# KiCad board psc_daughter_brd.kicad_pcb (continued)
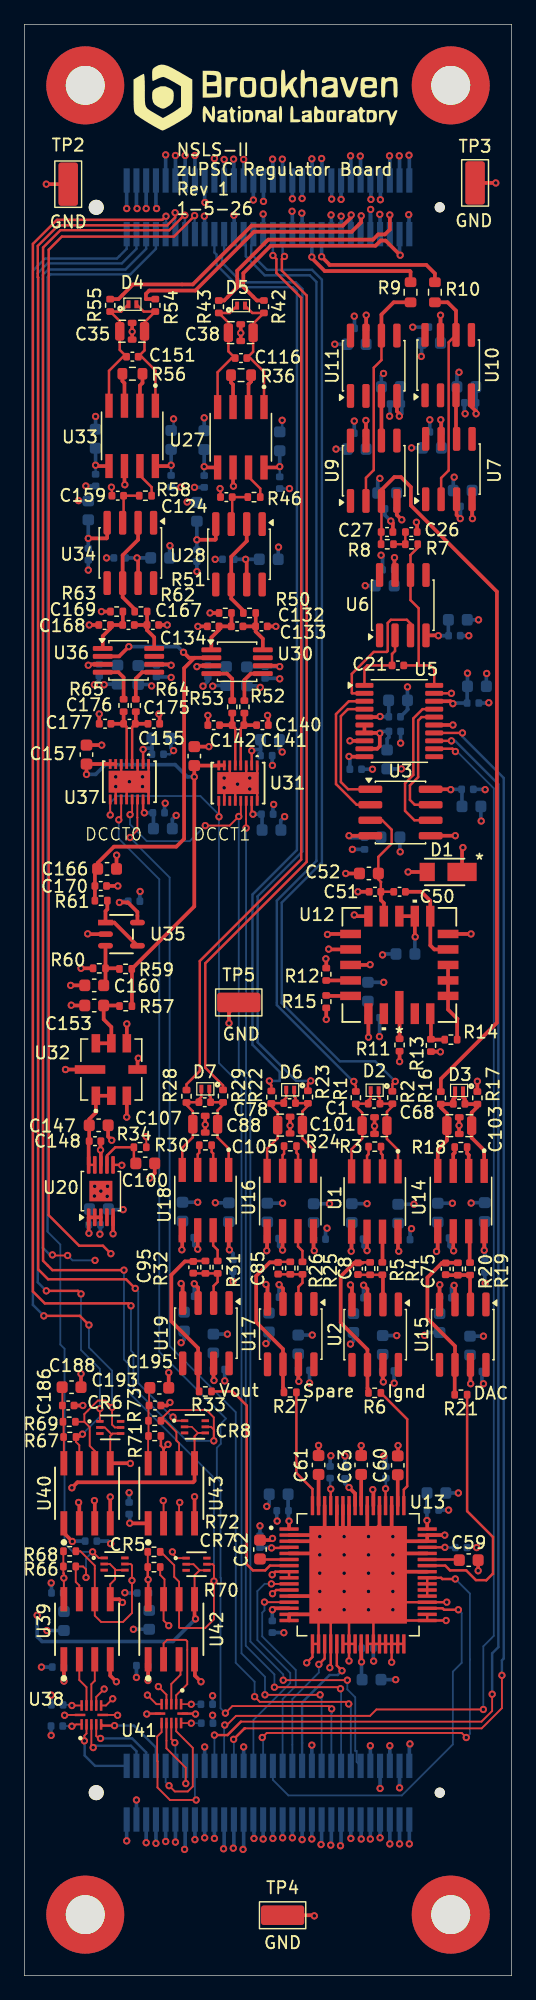
[diagram p0: board, top side]
## Routing (per net, layer and track width the routed paths; a pad name or vN(x,y) marks a point on that pad's centre or on a via; arc(x,y) is an arc through that point) (continued)
/DAC/dac_mon: length 62.1
  F.Cu - L1-sig w0.2: 29.31,120.92 29.31,118.59 29.29,118.57 C27.1 29.28,118.36 R8.2
  F.Cu - L1-sig w0.3: R16.2 34.19,73.53 38.79,78.13 38.79,113.49 31.73,120.55 31.73,122.06 30.91,122.88 30.37,122.88 29.31,121.82 29.31,120.92
/DAC/dac_out+: length 11.4
  F.Cu - L1-sig w0.3: v1(23.6,140.93) 23.6,140.83 24.66,139.77 31.65,139.77 31.7,139.72 R9.2
  B.Cu - L10-sig w0.3: J1.40 v1(23.6,140.93)
/DAC/dac_vout-: length 12.4
  F.Cu - L1-sig w0.3: R10.2 33.7,139.57 33,140.28 25.05,140.28 25.05,140.3 v1(24.4,140.95)
  B.Cu - L10-sig w0.3: J1.42 v1(24.4,140.95)
/DAC/sclk: length 109.1
  F.Cu - L1-sig w0.15: v1(38.4,23.07) 38.4,21.7 37.52,20.82 17.78,20.82
  F.Cu - L1-sig w0.2: 17.78,20.82 16.68,19.72 v1(15.6,19.72) ; U5.13 v1(35.06,101.25)
  B.Cu - L10-sig w0.15: J2.19 v1(15.6,19.72)
  B.Cu - L10-sig w0.2: v1(35.06,101.25) 35.36,101.25 38.91,97.69 38.91,26.94 38.4,26.43 v1(38.4,23.07) 38.4,23.03
/DAC/sdin: length 107.4
  F.Cu - L1-sig w0.15: v1(37.68,21.82) 28.9,21.82 28.37,21.3 17.37,21.3 16.62,20.55 v1(16.45,20.55)
  F.Cu - L1-sig w0.2: v1(35.38,100.38) 35.16,100.6 U5.12
  B.Cu - L10-sig w0.15: v1(35.38,100.38) 35.51,100.38 38.54,97.35 38.54,27.86 37.68,27 v1(37.68,21.82) ; v1(16.45,20.55) 16.4,20.5 J2.21
  B.Cu - L10-sig w0.2: v1(35.38,100.38) 35.55,100.38
/DAC/syncn: length 109
  F.Cu - L1-sig w0.15: 18.12,20.28 37.54,20.28 39.2,21.93 v1(39.2,24.62)
  F.Cu - L1-sig w0.2: v1(35.96,101.9) U5.14 ; 18.12,20.28 18.07,20.28 v1(17.18,19.38)
  B.Cu - L10-sig w0.15: v1(17.18,19.38) 17.2,19.35 J2.23
  B.Cu - L10-sig w0.2: v1(35.96,101.9) 35.96,101.6 39.35,98.21 39.35,26 39.2,25.85 v1(39.2,24.62)
/DAC/Voltage Reference/REF_OUT: length 10.9
  F.Cu - L1-sig w0.2: C50.1 C51.1 29.26,89.65 29.28,89.67 29.06,89.9 C52.1 29.06,91.73 30.15,92.83 30.15,93.97 29.38,94.74 U3.3
  F.Cu - L1-sig w0.3: C51.1 29.26,88.2 29.51,87.95 U12.12
/DCCT ADCs/dcct0+: length 24.3
  F.Cu - L1-sig w0.3: R55.2 7.72,137.47 8.93,138.68 13.82,138.68 18.65,143.5 26.15,143.5 26.82,144.18 v1(26.82,144.38)
  B.Cu - L10-sig w0.3: v1(26.82,144.38) 26.8,144.35 J1.48
/DCCT ADCs/dcct0-: length 23.3
  F.Cu - L1-sig w0.3: R54.2 9.98,137.47 9.98,137.9 10.25,138.17 14.03,138.17 18.86,143 26.87,143 27.65,143.78 v1(27.65,144.3)
  B.Cu - L10-sig w0.3: v1(27.65,144.3) 27.6,144.25 J1.50
/DCCT ADCs/dcct0_sdo: length 91.3
  F.Cu - L1-sig w0.15: v1(18.9,22.88) 19.32,22.45 26.45,22.45 v1(26.62,22.28) 26.7,22.28 ; U37.14 9.27,96.42 9.27,94.97 9.28,94.97 9.28,93.92 v1(8.68,93.33)
  B.Cu - L10-sig w0.15: v1(8.68,93.33) 9.28,92.72 9.28,92.69 11.93,90.04 11.93,51.63 17.35,46.2 17.35,25.65 18.9,24.1 v1(18.9,22.88) ; J2.47 26.8,22.1 v1(26.62,22.28)
/DCCT ADCs/dcct1+: length 20
  F.Cu - L1-sig w0.3: R43.2 16.41,137.36 17.47,138.42 17.47,139.81 20.02,142.35 28.62,142.35 29.04,142.78 29.6,142.78 30,143.18 v1(30,144.38)
  B.Cu - L10-sig w0.3: J1.56 v1(30,144.38)
/DCCT ADCs/dcct1-: length 19.5
  F.Cu - L1-sig w0.3: v1(30.85,141.07) 29.65,142.28 29.25,142.28 28.82,141.85 20.22,141.85 17.97,139.6 17.97,138.47 19.09,137.36 R42.2
  B.Cu - L10-sig w0.3: v1(30.85,141.07) 30.8,141.12 J1.58
/DCCT ADCs/dcct1_sdo: length 86.2
  F.Cu - L1-sig w0.15: v1(18.2,94.1) 18.2,94.82 18.2,94.82 18.2,96.27 18.22,96.3 ; v1(26.51,24.22) v1(21.25,24.22)
  B.Cu - L10-sig w0.15: v1(21.25,24.22) 21.25,24.7 18.55,27.4 18.55,73.74 18.2,74.09 v1(18.2,94.1) ; J2.49 27.28,17.52 27.28,18.43 27.16,18.43 27.16,22.82 26.51,23.47 v1(26.51,24.22)
/DCCT ADCs/DCCT Channel 1/adc_vref: length 37.1
  F.Cu - L1-sig w0.3: R57.1 8.83,82.54 R59.2 13.95,87.68 v1(13.95,98.3) C155.1 15.95,99.22 U31.8 16.4,99.24 ; v1(5.1,98.5) C157.1 7.04,99.35 U37.8 7.48,99.35
  B.Cu - L10-sig w0.3: v1(13.95,98.3) 13.38,98.3 12.38,99.3 6.65,99.3 5.85,98.5 v1(5.1,98.5)
/DCCT ADCs/DCCT Channel 1/drv_vref: length 36
  F.Cu - L1-sig w0.3: v1(8.57,108.97) 7.78,108.18 U36.2 ; 13.97,108.06 U30.2 ; 13.97,108.06 13.51,108.06 v1(13.06,108.51) ; 13.97,108.06 13.11,107.21 13.11,93.21 12.47,92.58 7.35,92.58 6.01,91.24 C166.1 5.79,90.52 C170.1 R61.1
  B.Cu - L10-sig w0.3: v1(8.57,108.97) 12.6,108.97 v1(13.06,108.51) 13.1,108.47
/DCCT ADCs/dcct_busy: length 93.5
  F.Cu - L1-sig w0.15: 25.25,21.85 v1(25.22,21.88) 25,22.1 17.07,22.1 v1(16.5,21.53) ; 7.95,95.1 7.75,94.9 v1(7.75,94.78) 7.95,94.97 U37.11
  B.Cu - L10-sig w0.15: v1(16.5,21.53) 16.1,21.93 16.1,32.07 16.14,32.11 16.14,32.59 16.1,32.63 16.1,40.5 15.8,40.8 15.8,43.29 16.13,43.61 16.13,44.09 16.1,44.11 16.1,45.22 16.55,45.68 11.07,51.15 11.07,89.9 7.75,93.22 v1(7.75,94.78) ; v1(25.22,21.88) 25.25,21.85 25.25,21.53 25.2,21.47 J2.43
/DCCT ADCs/dcct_cnv: length 97.5
  F.Cu - L1-sig w0.15: v1(19.75,23.03) v1(24.28,23.03) ; v1(7.05,95.17) 7.05,95.18 U37.9 ; v1(15.97,95.03) 15.97,95.03 15.97,96.3
  B.Cu - L10-sig w0.15: 19.75,22.97 v1(19.75,23.03) 19.75,24.5 17.82,26.43 17.82,72.98 15.97,74.83 v1(15.97,95.03) 15.97,95.2 14.45,96.72 7.6,96.72 7.05,96.17 v1(7.05,95.17) ; J2.41 24.4,22.9 v1(24.28,23.03)
/DCCT ADCs/dcct_sck: length 98.2
  F.Cu - L1-sig w0.15: 17.77,96.3 17.77,95.22 v1(17.6,95.05) 16.85,94.3 v1(14.85,94.3) ; v1(25.95,23.53) 25.82,23.65 v1(20.53,23.65) ; U37.13 8.85,95.37 v1(8.68,95.2)
  B.Cu - L10-sig w0.15: J2.45 26,23.47 v1(25.95,23.53) ; v1(17.6,95.05) 17.6,74.19 18.18,73.62 18.18,27.05 20.53,24.7 v1(20.53,23.65) 20.53,23.62 ; v1(14.85,94.3) 13.57,93.03 10.05,93.03 8.68,94.4 v1(8.68,95.2)
/FPGA connector/din0: length 9.9
  F.Cu - L1-sig w0.15: U41.10 12.46,20.04 13.83,18.67 13.83,15.51 13.41,15.1 12.35,15.1 v1(11.88,15.57)
  B.Cu - L10-sig w0.15: J2.9 11.6,15.85 v1(11.88,15.57) 11.9,15.55
/FPGA connector/din1: length 3.6
  F.Cu - L1-sig w0.15: v1(12.35,19.1) 12.06,19.39 U41.9
  B.Cu - L10-sig w0.15: J2.11 12.4,19 12.35,19.05 v1(12.35,19.1)
/FPGA connector/din2: length 7.1
  F.Cu - L1-sig w0.15: U41.8 11.66,18.64 13.25,17.05 v1(13.25,15.75)
  B.Cu - L10-sig w0.15: J2.13 13.2,15.8 v1(13.25,15.75)
/FPGA connector/din3: length 11.9
  F.Cu - L1-sig w0.15: U41.7 11.26,19.96 10.9,19.6 10.9,17.6 10.93,17.58 10.93,15.42 11.95,14.4 v1(14.1,14.4)
  B.Cu - L10-sig w0.15: J2.15 14,14.5 v1(14.1,14.4)
/FPGA connector/dout0: length 6.6
  F.Cu - L1-sig w0.15: 5.05,19.4 5.05,19.37 v1(4.93,19.25) 4.93,19.68 5.1,19.85 U38.2
  B.Cu - L10-sig w0.2: J2.1 5.8,17.2 4.95,18.05 4.95,19.05 4.93,19.07 v1(4.93,19.25)
/FPGA connector/dout1: length 7
  F.Cu - L1-sig w0.15: v1(5.65,18.7) 5.5,18.85 U38.3
  B.Cu - L10-sig w0.2: J2.3 9.2,18.4 8.75,18.85 5.8,18.85 v1(5.65,18.7)
/FPGA connector/dout2: length 6.7
  F.Cu - L1-sig w0.15: U38.4 5.9,19.65 6.1,19.45 v1(6.25,19.45)
  B.Cu - L10-sig w0.2: J2.5 10,18.3 8.85,19.45 v1(6.25,19.45)
/FPGA connector/dout3: length 6.8
  F.Cu - L1-sig w0.2: 6.3,20.6 6.3,20.6 6.4,20.5 v1(7.4,20.5)
  B.Cu - L10-sig w0.2: v1(7.4,20.5) 9,20.5 10.8,18.7 J2.7
/FPGA connector/mon_busy: length 32.2
  F.Cu - L1-sig w0.2: v1(35.62,30) 34.45,30 34.33,30.12 U13.35
  B.Cu - L10-sig w0.15: J2.31 20.4,16.05 21.68,14.77 30.99,14.77 35.18,18.96 35.18,24.93 35.9,25.65 35.9,29.72 v1(35.62,30)
/FPGA connector/mon_convert: length 36.9
  F.Cu - L1-sig w0.15: v1(36.28,19.53) 35.9,19.9 19.9,19.9 v1(19.53,19.53)
  F.Cu - L1-sig w0.2: v1(35.38,32.53) 35.37,32.52 34.31,32.52 34.21,32.62 U13.40 U13.39 U13.38 U13.37
  B.Cu - L10-sig w0.15: v1(35.38,32.53) 36.57,31.32 36.57,19.82 v1(36.28,19.53) ; v1(19.53,19.53) 19.6,19.45 J2.29
/FPGA connector/mon_fs: length 17.1
  F.Cu - L1-sig w0.15: v1(19.71,30.63) 19.72,30.62 U13.13
  B.Cu - L10-sig w0.15: v1(19.71,30.63) 19.71,29.94 19.53,29.76 19.53,27.81 22.28,25.06 22.28,23.75 21.2,22.68 J2.33
/FPGA connector/mon_reset: length 19.6
  F.Cu - L1-sig w0.15: v1(20.28,32.12) 20.28,32.12 U13.10
  B.Cu - L10-sig w0.15: J2.27 18.8,20.96 21.83,23.99 21.83,24.81 19.12,27.51 19.12,31.53 19.72,32.12 v1(20.28,32.12) 20.32,32.12
/FPGA connector/mon_sclk: length 12.2
  F.Cu - L1-sig w0.2: 25.85,25.22 v1(26.07,25) 25.65,25.43 U13.21
  B.Cu - L10-sig w0.2: v1(26.07,25) 25.72,24.65 25.05,24.65 22.8,22.4 J2.37
/FPGA connector/mon_sdo: length 11.1
  F.Cu - L1-sig w0.2: v1(24.18,25.53) 24.65,26 U13.19
  B.Cu - L10-sig w0.15: J2.35 22,22.68 24.18,24.85 v1(24.18,25.53)
/Isolated Digital IO/din0_iso: length 139.6
  F.Cu - L1-sig w0.15: R70.1 11.15,32.85 11.5,32.5 11.5,30.93 U42.7 11.43,29.12 v1(11.85,28.7) ; CR7.1 12.52,34.23 12.15,34.6 v1(12.15,34.75)
  F.Cu - L1-sig w0.2: v1(7.1,59.2) 6.45,59.85 4.5,59.85 2,62.35 2,141.53 3.07,142.6 12.27,142.6 13.97,144.3 v1(13.97,144.32)
  In2.Cu - L3-sig w0.15: v1(7.1,59.2) 7.1,58.11 7.94,57.27 7.94,38.96 v1(12.15,34.75) 11.85,34.45 v1(11.85,28.7)
  B.Cu - L10-sig w0.2: J1.16 13.97,142.83 v1(13.97,144.32)
/Isolated Digital IO/din1_iso: length 148
  F.Cu - L1-sig w0.15: R72.1 11.2,34.75 12.3,33.65 12.3,32.7 12.7,32.3 U42.6 12.7,28.55 12.75,28.5 14.85,28.5 15.56,29.21 v1(15.56,32.35) 15.56,33.62 15.45,33.73 CR7.5
  F.Cu - L1-sig w0.2: v1(13.18,144.35) 13.12,144.35 11.9,143.12 2.96,143.12 1.53,141.7 1.53,58.62 2.3,57.85 v1(8.18,57.85)
  B.Cu - L10-sig w0.15: v1(8.18,57.85) 8.18,50.53 8.55,50.15 8.55,47.84 15.45,40.94 15.45,40.65 15.56,40.54 v1(15.56,32.35)
  B.Cu - L10-sig w0.2: J1.14 13.18,142.82 v1(13.18,144.35)
/Isolated Digital IO/din2_iso: length 126.3
  F.Cu - L1-sig w0.15: CR8.1 12.5,45.5 v1(12.2,45.8)
  F.Cu - L1-sig w0.2: v1(11.79,43.56) 11.43,43.2 U43.7 11.43,43.22 11.2,43.45 11.21,43.46 R71.1 ; v1(9.1,56.35) 8.35,57.1 1.95,57.1 1.13,57.92 1.13,139.25 1.1,139.28 1.1,141.83 2.79,143.53 11.73,143.53 12.37,144.17 v1(12.37,144.56)
  In7.Cu - L8-sig w0.2: v1(11.79,43.56) 12.2,43.97 v1(12.2,45.8)
  B.Cu - L10-sig w0.15: v1(9.1,56.35) 9.35,56.1 9.35,48.59 12.14,45.8 v1(12.2,45.8)
  B.Cu - L10-sig w0.2: v1(12.37,144.56) 12.37,142.83 J1.12
/Isolated Digital IO/din3_iso: length 135.9
  F.Cu - L1-sig w0.15: CR8.5 15.32,45 15.55,44.77 v1(15.55,43.85) 15.55,45.77 14.95,46.38 11.96,46.38 11.21,45.62 R73.1 11.55,45.5 12.48,44.57 12.48,43.87 12.7,43.65 U43.6
  F.Cu - L1-sig w0.2: v1(8.75,54.92) 8.55,55.12 1.68,55.12 0.7,56.1 0.7,142 2.68,143.97 11.33,143.97 v1(11.63,144.27)
  B.Cu - L10-sig w0.15: v1(15.55,43.85) 13.34,43.85 8.95,48.24 8.95,51.05 8.75,51.25 v1(8.75,54.92)
  B.Cu - L10-sig w0.2: v1(11.63,144.27) 11.63,142.83 J1.10
/Isolated Digital IO/din_iso_gnd: length 173.4
  F.Cu - L1-sig w0.12: CR8.2 13.75,45 14.25,44.5
  F.Cu - L1-sig w0.15: 14.38,33.23 CR7.4 ; 14.38,33.23 13.88,33.73 CR7.2 ; 14.38,33.23 13.97,32.82 U42.5 ; U43.5 13.97,44.22 14.25,44.5 CR8.4
  F.Cu - L1-sig w0.3: v1(14.05,29.25) 13.97,29.33 U42.5 ; v1(3.9,40) 4.35,40.45 13.85,40.45 13.97,40.57 U43.5
  In2.Cu - L3-sig w0.3: v1(3.9,40) 3.05,40 2.85,39.8
  In2.Cu - L3-sig w1: v1(10.85,144.9) v1(8.4,144.9) 3.95,140.45 1.4,140.45 1.4,62.62 4.55,59.46 4.55,57.26 2.85,55.56 2.85,35.85 1.05,34.05 v1(1.05,29.55)
  B.Cu - L10-sig w0.3: J1.5 v1(10,144.9) ; J1.1 v1(8.4,144.9) ; v1(10.85,144.9) 10.8,144.95 J1.7 ; v1(1.05,29.55) 1.05,27.8 1.45,27.4 12.2,27.4 v1(14.05,29.25) ; v1(9.25,144.9) 9.2,144.95 J1.3
/Isolated Digital IO/dout0_iso: length 126
  F.Cu - L1-sig w0.15: CR5.1 6.1,34.25 v1(5.6,34.75) ; U39.7 4.51,31.99 4.22,32.28 R66.1 4.82,33.55 5.06,33.31 v1(5.06,32.65)
  B.Cu - L10-sig w0.15: 1.9,61.05 1.9,61 2.95,59.95 2.95,51.75 3.3,51.4 3.3,35.42 3.97,34.75 v1(5.6,34.75) 5.06,34.21 v1(5.06,32.65)
  B.Cu - L10-sig w0.2: J1.8 10.8,141.6 8.7,139.5 2.13,139.5 1.9,139.27 1.9,61.05
/Isolated Digital IO/dout1_iso: length 137
  F.Cu - L1-sig w0.15: v1(3.55,59.05) 2.35,59.05 v1(2.3,59.1) ; R68.1 4.6,34.8 5.78,33.62 U39.6 5.78,29.52 6.3,29 8.1,29 8.83,29.73 v1(8.83,32.4) 8.83,33.64 8.72,33.75 CR5.5
  In2.Cu - L3-sig w0.15: v1(8.83,32.4) 8.07,33.16 8.07,37.41 6.33,39.16 6.33,45.56 5.62,46.26 5.62,52.86 5.88,53.11 5.88,58.57 v1(5.8,58.65)
  B.Cu - L10-sig w0.15: v1(3.55,59.05) 3.95,58.65 v1(5.8,58.65)
  B.Cu - L10-sig w0.2: v1(2.3,59.1) 2.1,59.1 1.5,59.7 1.5,139.1 1.5,139.43 1.97,139.9 8.3,139.9 10,141.6 J1.6
/Isolated Digital IO/dout2_iso: length 113.6
  F.Cu - L1-sig w0.15: 4.78,44.41 v1(4.77,44.4) 4.54,44.17 R67.1 4.24,43.76 4.51,43.49 U40.7 ; CR6.1 v1(6.2,46.5) 6.15,46.55
  F.Cu - L1-sig w0.2: v1(1.8,56.15) 4.4,56.15 v1(4.65,55.9)
  B.Cu - L10-sig w0.15: v1(4.65,55.9) 4.65,51.3 6.2,49.75 v1(6.2,46.5) 6.2,45.83 v1(4.77,44.4)
  B.Cu - L10-sig w0.2: J1.4 9.2,141.6 8,140.4 1.9,140.4 1.1,139.6 1.1,56.85 v1(1.8,56.15)
/Isolated Digital IO/dout3_iso: length 117.7
  F.Cu - L1-sig w0.15: 4.92,45.42 R69.1 4.3,45.42 ; 4.92,45.42 5.37,44.97 5.37,43.44 5.78,43.02 U40.6 ; 4.92,45.42 4.92,46.04 6.03,47.15 6.65,47.15 v1(7.2,46.6) 7.2,45.18 7.43,44.95 CR6.5
  F.Cu - L1-sig w0.2: v1(5.3,53.35) 4.55,54.1 v1(1.6,54.1)
  B.Cu - L10-sig w0.15: v1(7.2,46.6) 7.2,49.6 5.3,51.5 v1(5.3,53.35)
  B.Cu - L10-sig w0.2: J1.2 8.4,141.6 7.6,140.8 1.7,140.8 0.7,139.8 0.7,55 v1(1.6,54.1) 1.6,54.05
/Isolated Digital IO/dout_iso_gnd: length 159.2
  F.Cu - L1-sig w0.15: CR6.4 7.25,44.45 7.18,44.38 ; 7.45,33.25 7.45,33.32 7.02,33.75 CR5.2 ; 7.45,33.25 7.45,32.5 7.05,32.1 U39.5 ; 7.45,33.25 CR5.4 ; 7.18,44.38 7.05,44.25 U40.5 ; 7.18,44.38 6.6,44.95 CR6.2
  F.Cu - L1-sig w0.3: U40.5 8.69,42.01 v1(8.7,42) ; v1(8.05,30.6) 7.79,30.86 U39.5
  In7.Cu - L8-sig w0.3: v1(8.7,42) 8,42.7 2.7,42.7 ; v1(8.05,30.6) 4.7,33.95 1.15,33.95
  In7.Cu - L8-sig w1: v1(14,149.25) v1(13.2,149.25) v1(12.4,149.25) 11.65,149.25 v1(11.6,149.3) 11.38,149.3 7.27,145.18 7.27,143.72 1.7,138.15 1.7,62.33 4.55,59.48 4.55,57.22 2.7,55.37 2.7,42.7 2.85,42.55 2.85,35.65 1.15,33.95
  B.Cu - L10-sig w0.3: J1.11 v1(12.4,149.25) ; J1.9 v1(11.6,149.3) ; J1.13 v1(13.2,149.25) ; J1.15 v1(14,149.25)
/Monitor ADCs/monitor_dac/mon_out: length 21.7
  F.Cu - L1-sig w0.2: R21.1 36.34,38.09 38.47,35.96 38.47,32.94 38.44,32.94 37.92,32.42 37.91,32.43 37.07,32.43 36.27,33.23 34.94,33.23 34.55,33.62 U13.42
/Monitor ADCs/monitor_ignd+: length 79
  F.Cu - L1-sig w0.2: R1.2 27.21,72.96 27.04,73.12 v1(27.04,73.33)
  B.Cu - L10-sig w0.2: J1.26 18,142.05 18.18,141.88 18.18,140.98 19.73,139.43 23.43,139.43 23.97,138.88 23.97,91.4 20.72,88.15 20.72,79.58 26.98,73.33 v1(27.04,73.33)
/Monitor ADCs/monitor_ignd-: length 82
  F.Cu - L1-sig w0.2: R2.2 30.21,73.09 v1(30.44,73.33)
  B.Cu - L10-sig w0.2: v1(30.44,73.33) 28.79,74.97 25.9,74.97 21.13,79.75 21.13,87.98 24.32,91.17 24.42,91.17 24.42,139.07 23.62,139.88 19.92,139.88 18.62,141.17 18.62,141.88 18.8,142.05 J1.28
/Monitor ADCs/monitor_ignd/mon_out: length 10.3
  F.Cu - L1-sig w0.2: U13.49 31.15,39.85 31.43,40.13 31.43,45.62 R6.1
/Monitor ADCs/monitor_spare+: length 79
  F.Cu - L1-sig w0.2: v1(20.11,73.37) 20.11,73.17 20.28,73 R22.2
  B.Cu - L10-sig w0.2: v1(20.11,73.37) 20.94,73.37 20.95,73.38 20.95,74.1 18.72,76.33 18.72,77.37 18.72,77.38 18.72,88.65 22.38,92.3 22.38,138.12 22.04,138.45 17.61,138.45 15.78,140.28 15.78,141.12 15.6,141.3 J1.20
/Monitor ADCs/monitor_spare-: length 79.8
  F.Cu - L1-sig w0.2: R23.2 23.28,73.13 v1(23.51,73.37)
  B.Cu - L10-sig w0.2: v1(23.51,73.37) 22.31,73.37 19.15,76.53 19.15,88.46 19.13,88.48 22.82,92.18 22.82,138.3 22.28,138.85 17.84,138.85 16.22,140.47 16.22,141.12 16.4,141.3 J1.22
/Monitor ADCs/monitor_spare/mon_out: length 9.8
  F.Cu - L1-sig w0.2: U13.64 23.65,39.9 22.33,41.22 R27.1
/Monitor ADCs/monitor_vout+: length 75
  F.Cu - L1-sig w0.2: R28.2 13.31,73.08 14.4,74.17 14.4,83.19 22.72,91.52 22.72,137.58 20.69,139.62 20.69,140.76 v1(20.4,141.05)
  B.Cu - L10-sig w0.2: J1.32 v1(20.4,141.05)
/Monitor ADCs/monitor_vout-: length 75.9
  F.Cu - L1-sig w0.2: R29.2 16.31,72.99 14.85,74.45 14.85,83.01 23.18,91.33 23.18,137.77 21.14,139.81 21.14,140.76 v1(21.35,140.97)
  In2.Cu - L3-sig w0.2: v1(21.35,140.97) 21.35,140.74 ; 21.25,140.75 21.25,141.15
  B.Cu - L10-sig w0.2: 21.25,142.75 J1.34 21.2,141.12 v1(21.35,140.97)
/Monitor ADCs/monitor_vout/mon_out: length 20.2
  F.Cu - L1-sig w0.2: R33.1 17.1,47.9 18.26,46.74 18.26,33.73 18.76,33.23 19.77,33.23 20.16,33.62 U13.7
Net-(C8-Pad2): length 13.5
  F.Cu - L1-sig w0.2: C8.2 27.43,58.49 R5.1
  F.Cu - L1-sig w0.3: 27.76,58.44 27.07,58.44 25.97,57.34 25.97,53.53 28.16,51.34 28.16,48.18 28.28,48.06
Net-(C26-Pad1): length 2
  F.Cu - L1-sig w0.2: R8.1 R7.2 31.27,118.36 C26.1
Net-(C75-Pad2): length 13.6
  F.Cu - L1-sig w0.3: 35.32,47.63 35.32,50.06 U15.6 35.35,51.62 33.09,53.88 33.09,57.24 34.28,58.44 C75.2 34.6,58.46 35.59,58.46
Net-(C85-Pad2): length 13.5
  F.Cu - L1-sig w0.2: R26.1 20.87,58.53 C85.2
  F.Cu - L1-sig w0.3: 21.34,48.1 21.23,48.22 U17.6 21.23,51.38 19.03,53.58 19.03,57.38 20.14,58.49 C85.2
Net-(C95-Pad2): length 13.8
  F.Cu - L1-sig w0.2: C95.2 13.91,58.6 R32.1
  F.Cu - L1-sig w0.3: R33.2 14.26,47.98 14.26,51.45 12.06,53.65 12.06,57.45 13.18,58.56 C95.2
Net-(C132-Pad2): length 4.3
  F.Cu - L1-sig w0.3: U30.8 19.57,109.62 18.98,110.22 C132.2 ; C132.2 C133.1 ; C132.2 18.99,110.65 R50.1
Net-(C133-Pad2): length 4.3
  F.Cu - L1-sig w0.3: R51.1 17,110.66 C133.2 C134.1 15.98,110.36 15.35,109.72 U30.1
Net-(C167-Pad2): length 4.3
  F.Cu - L1-sig w0.3: C167.2 10.07,110.33 10.66,109.74 U36.8 ; C167.2 C168.1 ; C167.2 10.08,110.76 R62.1
Net-(C168-Pad2): length 4.3
  F.Cu - L1-sig w0.3: R63.1 8.09,110.77 C168.2 C169.1 7.07,110.47 6.43,109.84 U36.1
Net-(D2-A1): length 8.3
  F.Cu - L1-sig w0.2: D2.1 29.08,72.05 29.19,71.94 C1.2 30.2,71.5 R2.1 30.21,71.28 29.76,70.83 C101.2 29.76,68.61 30.67,67.7 U1.1
Net-(D2-A2): length 8.3
  F.Cu - L1-sig w0.2: D2.2 28.43,71.95 28.23,71.75 C1.1 27.23,71.5 R1.1 27.21,71.27 27.73,70.75 C101.1 27.73,68.63 26.86,67.76 U1.4
Net-(D3-A1): length 8.3
  F.Cu - L1-sig w0.3: D3.1 36.01,72.01 36.16,71.86 C68.2 36.19,71.47 R17.1 37.19,71.23 36.72,70.77 C103.2 36.72,68.7 37.74,67.69 37.74,67.44 37.75,67.42 U14.1
Net-(D3-A2): length 8.2
  F.Cu - L1-sig w0.3: U14.4 33.94,67.73 34.69,68.48 C103.1 34.69,70.69 34.19,71.19 R16.1 35.19,71.47 C68.1 35.21,71.86 35.36,72.01 D3.2
Net-(D4-A1): length 10.8
  F.Cu - L1-sig w0.2: U33.4 6.95,131.59 8.11,132.75 C151.2 7.83,133.31 C35.2 7.83,135.67 R55.1 7.95,136.45 D4.1
Net-(D4-A2): length 10.8
  F.Cu - L1-sig w0.2: U33.1 10.76,131.62 9.63,132.75 C151.1 9.86,133.27 C35.1 9.86,135.57 R54.1 9.8,136.45 D4.2
Net-(D5-A1): length 10.8
  F.Cu - L1-sig w0.2: D5.1 16.86,136.34 R43.1 16.75,135.55 C38.2 16.75,133.19 C116.2 17.02,132.64 15.86,131.48 U27.4
Net-(D5-A2): length 10.8
  F.Cu - L1-sig w0.2: D5.2 18.71,136.34 R42.1 18.78,135.45 C38.1 18.78,133.15 C116.1 18.54,132.64 19.67,131.51 U27.1
Net-(D6-A1): length 8.3
  F.Cu - L1-sig w0.2: D6.1 22.15,72.09 22.25,71.98 C78.2 23.26,71.54 R23.1 23.28,71.32 22.83,70.87 C105.2 22.83,68.65 23.74,67.74 U16.1
Net-(D6-A2): length 8.3
  F.Cu - L1-sig w0.2: U16.4 19.93,67.8 20.79,68.67 C105.1 20.79,70.79 20.28,71.31 R22.1 20.29,71.54 C78.1 21.29,71.79 21.5,71.99 D6.2
Net-(D7-A1): length 8.3
  F.Cu - L1-sig w0.2: D7.1 15.18,72.17 15.29,72.06 C88.2 16.3,71.62 R29.1 16.31,71.4 15.86,70.95 C107.2 15.86,68.72 16.77,67.82 U18.1
Net-(D7-A2): length 8.3
  F.Cu - L1-sig w0.2: D7.2 14.53,72.07 14.33,71.87 C88.1 13.33,71.62 R28.1 13.31,71.39 13.83,70.87 C107.1 13.83,68.75 12.96,67.88 U18.4
Net-(R3-Pad1): length 2.1
  F.Cu - L1-sig w0.2: U1.2 29.4,67.3 29.28,67.42 29.28,67.97
Net-(R3-Pad2): length 2.1
  F.Cu - L1-sig w0.2: R3.2 28.25,67.36 28.13,67.23 U1.3
Net-(R4-Pad2): length 2.5
  F.Cu - L1-sig w0.3: R4.2 29.4,58.5 U1.7
Net-(R18-Pad1): length 2
  F.Cu - L1-sig w0.3: R18.1 36.34,67.42 36.49,67.28 36.47,67.28 U14.2
Net-(R18-Pad2): length 2.1
  F.Cu - L1-sig w0.3: 35.32,67.94 35.32,67.47 35.21,67.36 U14.3 ; 35.32,66.03 35.28,65.98
Net-(R19-Pad2): length 2.6
  F.Cu - L1-sig w0.3: 36.56,61.03 36.56,58.5 R19.2
Net-(R24-Pad1): length 2.1
  F.Cu - L1-sig w0.2: R24.1 22.34,67.47 22.47,67.34 U16.2
Net-(R24-Pad2): length 2.1
  F.Cu - L1-sig w0.2: R24.2 21.32,67.4 21.19,67.27 U16.3
Net-(R25-Pad2): length 2.7
  F.Cu - L1-sig w0.2: U16.7 22.47,59.79 22.83,59.43 R25.2
Net-(R30-Pad1): length 2.1
  F.Cu - L1-sig w0.2: U18.2 15.5,67.42 15.38,67.54 R30.1
Net-(R30-Pad2): length 2.1
  F.Cu - L1-sig w0.2: R30.2 14.35,67.47 14.23,67.35 U18.3
Net-(R31-Pad2): length 2.7
  F.Cu - L1-sig w0.2: U18.7 15.5,59.87 15.87,59.5 R31.2
Net-(R36-Pad1): length 2.7
  F.Cu - L1-sig w0.3: U27.2 18.4,130.5 18.4,130.5 18.61,130.71 R36.1
Net-(R36-Pad2): length 2.7
  F.Cu - L1-sig w0.3: U27.3 17.13,130.47 16.96,130.64 R36.2
Net-(R46-Pad2): length 2.8
  F.Cu - L1-sig w0.2: U27.7 18.4,122.9 19.36,121.94 R46.2
Net-(R52-Pad2): length 3.4
  F.Cu - L1-sig w0.3: R52.2 18.06,106.24 18.59,106.76 U30.5
Net-(R53-Pad2): length 3.7
  F.Cu - L1-sig w0.3: R53.2 17.06,106.34 16.64,106.76 U30.4
Net-(R56-Pad1): length 2.7
  F.Cu - L1-sig w0.3: U33.2 9.49,130.39 9.7,130.6 R56.1
Net-(R56-Pad2): length 2.7
  F.Cu - L1-sig w0.3: R56.2 8.05,130.75 8.22,130.58 U33.3
Net-(R58-Pad2): length 2.8
  F.Cu - L1-sig w0.2: R58.2 10.45,122.05 9.49,123.01 U33.7
Net-(R64-Pad2): length 3.4
  F.Cu - L1-sig w0.3: R64.2 9.15,106.35 9.67,106.88 U36.5
Net-(R65-Pad2): length 3.7
  F.Cu - L1-sig w0.3: R65.2 8.15,106.45 7.72,106.88 U36.4
Net-(U2--): length 4.5
  F.Cu - L1-sig w0.2: C8.1 27.41,57.47 R5.2 R4.1
  F.Cu - L1-sig w0.3: U2.2 29.44,57.41 R4.1
Net-(U3A--): length 12
  F.Cu - L1-sig w0.2: U3.2 27.28,96.01 25.58,97.71 25.58,103.44 26.64,104.5 U5.3
Net-(U3B--): length 12.3
  F.Cu - L1-sig w0.2: U3.6 32.02,94.74 31.25,95.51 31.25,97.78 31.92,98.45 31.92,103.08 32.69,103.85 U5.17
Net-(U5-INV): length 6.3
  F.Cu - L1-sig w0.2: U6.2 30.43,108.62 30.18,108.38 30.18,108.37 C21.2 28.14,107.43 27.92,107.21 U5.1
Net-(U5-R_{FB}): length 14.5
  F.Cu - L1-sig w0.2: R7.1 32.29,117.08 31.68,116.47 31.7,116.46 U6.6 31.7,112.79 32.37,112.12 32.37,107.45 32.38,107.43 ; U5.20 33.64,107.11 33.32,107.43 32.38,107.43 ; 32.38,107.43 C21.1 31.1,107.48
Net-(U5-V_{OUT}): length 11.7
  F.Cu - L1-sig w0.2: U5.2 26.91,105.15 26.88,105.18 26.88,106.74 28.68,108.54 29.75,108.54 29.83,108.62 29.83,110.92 30.09,111.18 31.4,111.18 31.7,110.87 U6.3
Net-(U5-V_{REFNF}): length 10.1
  F.Cu - L1-sig w0.2: U3.7 32.05,96.01 31.65,96.41 31.65,97.6 32.32,98.27 32.32,102.92 32.61,103.2 U5.16
Net-(U5-V_{REFPF}): length 10.2
  F.Cu - L1-sig w0.2: U3.1 26.58,97.28 25.98,97.88 25.98,103.28 26.56,103.85 U5.4
Net-(U7--): length 18
  F.Cu - L1-sig w0.2: U7.2 34.21,122.81 34.83,123.42 34.83,133.93 U10.6
  F.Cu - L1-sig w0.3: U10.6 35.43,136.53 34.75,137.21 R10.1
Net-(U9--): length 18.6
  F.Cu - L1-sig w0.2: U11.6 29.31,132.47 28.68,131.85 28.68,123.46 28.04,122.82 28.04,120.92
  F.Cu - L1-sig w0.3: U11.6 29.31,136.2 30.32,137.21 R9.1
Net-(U10-V_{IN}): length 3.7
  F.Cu - L1-sig w0.3: 35.34,129.49 U10.3 35.43,126.11 35.34,126.01
Net-(U11-V_{IN}): length 3.7
  F.Cu - L1-sig w0.3: U11.3 U9.6
Net-(U12-BUF_INP): length 4.4
  F.Cu - L1-sig w0.3: v1(32.08,85.17) 32.05,85.21 U12.10 U12.11
  B.Cu - L10-sig w0.3: C32.1 32.06,85.15 v1(32.08,85.17)
Net-(U12-BUF_S): length 7.6
  F.Cu - L1-sig w0.3: U12.7 33.66,84.14 33.32,84.47 33.32,86.87 U12.9 33.32,88.14 32.58,88.88 C50.2
Net-(U12-HTR_ILIM): length 2
  F.Cu - L1-sig w0.3: U12.17 24.79,81.61 R12.2
Net-(U12-HTR_IN): length 2
  F.Cu - L1-sig w0.3: U12.18 24.82,80.33 R15.1
Net-(U12-ISET): length 2.6
  F.Cu - L1-sig w0.3: U12.1 30.8,79.36 R11.2
Net-(U12-REF6P6_F): length 6.5
  F.Cu - L1-sig w0.3: R14.1 35.53,78.42 35.55,78.45 34.78,79.22 U12.4 U12.5 U12.6
Net-(U12-TSET): length 3.3
  F.Cu - L1-sig w0.3: R14.2 33.41,76.75 33.38,76.78 33.38,78.82 U12.3
Net-(U13-REFAP): length 2.7
  F.Cu - L1-sig w0.2: U13.43 35.65,34.12 C59.1
Net-(U13-REFBP): length 2.5
  F.Cu - L1-sig w0.3: U13.50 C60.1
Net-(U13-REFCP): length 2.6
  F.Cu - L1-sig w0.3: U13.63 C61.1
Net-(U13-REFDP): length 2.4
  F.Cu - L1-sig w0.2: 19.38,34.1 19.4,34.12 U13.6
Net-(U13-REFIO): length 2.6
  F.Cu - L1-sig w0.3: U13.56 C63.1
Net-(U15--): length 4.4
  F.Cu - L1-sig w0.3: U15.2 36.59,55.07 36.59,57.44 35.59,57.44 R20.2 34.62,57.44 C75.1
Net-(U17--): length 4.6
  F.Cu - L1-sig w0.2: U17.2 22.5,56.48 22.83,56.81 R25.1 R26.2 20.85,57.51 C85.1
Net-(U19--): length 4.6
  F.Cu - L1-sig w0.2: C95.1 13.88,57.58 R32.2 R31.1 15.87,56.88 15.53,56.55 U19.2
Net-(U20-OUT): length 7.7
  F.Cu - L1-sig w0.2: U20.9 U20.10
  F.Cu - L1-sig w0.3: U20.10 5.28,68.39 C148.1 5.32,69.72 C147.1 5.32,70.22 5.87,70.77 U32.1 U32.2
Net-(U20-SET): length 4.6
  F.Cu - L1-sig w0.2: U20.7 6.78,67.24 7.47,67.92 R34.2 8.99,66.76 C100.1
Net-(U28-+): length 3.5
  F.Cu - L1-sig w0.2: R46.1 C124.1 17.06,119.1 U28.3
Net-(U28--): length 8.2
  F.Cu - L1-sig w0.3: U28.2 18.25,117.65 18.26,117.64 16.98,116.36 U28.6 16.98,112.92 17.97,111.93 R50.2
Net-(U31-IN+): length 5.5
  F.Cu - L1-sig w0.2: U31.4 17.76,102.28 C141.1
  F.Cu - L1-sig w0.3: R52.1 18.06,102.58 C141.1 C140.2
Net-(U31-IN-): length 5.4
  F.Cu - L1-sig w0.2: U31.5 17.31,102.29 C141.2
  F.Cu - L1-sig w0.3: C142.1 C141.2 R53.1
Net-(U32-VOUT_F): length 6
  F.Cu - L1-sig w0.3: U32.7 U32.6 7.14,77.78 6.51,78.42 C153.1 7.76,79.55 R57.2
Net-(U34-+): length 3.5
  F.Cu - L1-sig w0.2: R58.1 C159.1 8.15,119.22 U34.3
Net-(U34--): length 8.2
  F.Cu - L1-sig w0.3: U34.2 9.34,117.76 9.35,117.75 8.07,116.47 U34.6 8.07,113.03 9.06,112.04 R62.2
Net-(U35-+): length 4.5
  F.Cu - L1-sig w0.3: C160.1 6.66,81.35 R60.1 ; R60.1 7.75,82.6 R59.1 ; R60.1 U35.3
Net-(U35--): length 5.3
  F.Cu - L1-sig w0.3: R61.2 6.81,87.44 6.66,87.28 U35.1 7.38,86.35 U35.4
Net-(U37-IN+): length 5.5
  F.Cu - L1-sig w0.2: U37.4 8.85,102.39 C176.1
  F.Cu - L1-sig w0.3: C175.2 C176.1 9.15,102.69 R64.1
Net-(U37-IN-): length 5.4
  F.Cu - L1-sig w0.2: C176.2 8.4,102.4 U37.5
  F.Cu - L1-sig w0.3: C177.1 C176.2 R65.1
Net-(U38-B1Y): length 4
  F.Cu - L1-sig w0.15: U38.10 5.1,23.65 4.51,24.24 U39.2
Net-(U38-B2Y): length 3.9
  F.Cu - L1-sig w0.15: U38.9 5.5,23.9 5.78,24.18 U39.3
Net-(U38-B3Y): length 19.5
  F.Cu - L1-sig w0.15: v1(6.55,23.5) 5.9,22.85 U38.8
  F.Cu - L1-sig w0.3: U40.2 4.51,38.74 v1(4.45,38.8)
  In2.Cu - L3-sig w0.15: v1(6.55,23.5) 6.24,23.81 6.24,37.01 v1(4.45,38.8)
Net-(U38-B4Y): length 21.3
  F.Cu - L1-sig w0.15: U38.7 6.7,22.15 v1(7.25,22.7)
  F.Cu - L1-sig w0.3: v1(5.75,38.95) 5.78,38.92 U40.3
  In2.Cu - L3-sig w0.15: v1(7.25,22.7) 8.13,23.58 8.13,24.34 7.1,25.36 7.1,33.13 7.72,33.75 7.72,37.13 5.9,38.95 v1(5.75,38.95)
Net-(U39-VISO): length 6.9
  F.Cu - L1-sig w0.15: R66.2 3.2,34.79 R68.2 ; R66.2 3.24,33.51 ; R66.2 3.2,32.99 3.24,32.95 ; 3.24,32.95 v1(3.24,32.6) U39.8 ; 3.24,32.95 3.24,33.03
  B.Cu - L10-sig w0.15: v1(3.24,32.6) 3.24,31.43 C185.1
  B.Cu - L10-sig w0.3: C185.1 3.19,29.91 C187.1
Net-(U40-VISO): length 6.3
  F.Cu - L1-sig w0.15: U40.8 3.24,44.15 R67.2 3.22,45.37 R69.2 3.17,46.7 C186.1 3.12,48.23 C188.1
Net-(U41-A1): length 8.9
  F.Cu - L1-sig w0.15: U41.2 12.46,22.99 13.37,23.9 13.37,27.41 13.25,27.53 11.71,27.53 11.43,27.25 U42.2
Net-(U41-A2): length 4
  F.Cu - L1-sig w0.15: U41.3 12.06,23.91 12.82,24.67 12.82,25.93
Net-(U41-A3): length 20.2
  F.Cu - L1-sig w0.15: v1(11.4,38.95) 11.43,38.92 U43.2 ; v1(11,23.7) 11.66,23.04 U41.4
  In2.Cu - L3-sig w0.15: v1(11.4,38.95) 12.85,37.5 12.85,31.5 12.6,31.25 12.6,25.3 v1(11,23.7)
Net-(U41-A4): length 21.1
  F.Cu - L1-sig w0.15: v1(10.1,23) 10.84,22.26 U41.5 ; U43.3 12.7,38.75 v1(12.75,38.8)
  In2.Cu - L3-sig w0.15: v1(10.1,23) 11.11,23 13.25,25.14 13.25,38.3 v1(12.75,38.8)
Net-(U42-VISO): length 6.6
  F.Cu - L1-sig w0.15: R72.2 R70.2
  F.Cu - L1-sig w0.2: U42.8 v1(10.16,32.47) 10.16,32.6 10.13,32.63 R70.2 10.16,33.47
  B.Cu - L10-sig w0.2: 10.16,31.43 C192.1 10.22,32.41 v1(10.16,32.47)
  B.Cu - L10-sig w0.3: C192.1 10.22,29.98 C194.1
Net-(U43-VISO): length 6.2
  F.Cu - L1-sig w0.15: C195.1 10.24,48.14 C193.1 10.19,46.7 R73.2 R71.2 10.16,44.22 U43.8

## Copper pours and planes (outline as drawn; the poured copper is in the pictures)
+1.8V on In2.Cu - L3-sig: 27.5,102.88 8.46,102.88 8.5,75 8.5,21.73 3.61,21.74 1.1,21.74 1.1,9 14.8,9 14.8,16.9 19.43,16.94 18.79,88.88 27.45,88.87 27.5,101
+2.5V on In7.Cu - L8-sig: 29.5,9 29.5,31.5 36,31.5 36,42.5 8.5,42.5 8.4,101.2 39.5,101 39,9
+3.3V on In2.Cu - L3-sig: 32.16,103 28,103 28,88.53 19.06,88.53 19.7,16.4 15.5,16.41 15.5,9 32,9 32,20
+5.0V on In7.Cu - L8-sig: 35.5,41.5 0.5,41.5 0.5,9 28.5,9 28.35,32 35.5,32
+5.3VA on In2.Cu - L3-sig: 14,150.5 14.3,122.52 3.5,122.5 3.5,85.41 8.38,85.41 8.38,109 13.5,109 13.5,107 19.5,106.94 19.46,110.18 27,110.18 26.5,150.5
+15V on In5.Cu - L6-pwr: 2.09,158.89 39,158.89 39,35 1,35
-5.3VA on In2.Cu - L3-sig: 36.5,150.5 36.5,103.95 8.62,104.15 8.62,108 13,108 13,106.65 20,106.5 20,109.46 27.36,109.43 27,150.5
-15V on In4.Cu - L5-pwr: 2,159.05 37.97,159.05 38.32,48.85 25,48.85 25,35.66 2,35.66
GND on In1.Cu - L2-gnd, In3.Cu - L4-gnd, In6.Cu - L7-gnd, In8.Cu - L9-gnd: 1,159 39,159 39,1 1,1
GND on In4.Cu - L5-pwr, In5.Cu - L6-pwr: 1,34 39,34.07 39,1 1,1
/DCCT ADCs/dcct_busy on In7.Cu - L8-sig: 1,159 39,159 39,102 1,101.61

## Text on the board
F.Silkscreen: DCCT0 | DCCT1 | NSLS-II / zuPSC Regulator Board / Rev 1 / 1-5-26 | Vout | Spare | Ignd | DAC | *
